# Altium PCB BCS1_REV2.2.PcbDoc (part 3 of 4)
Units mm, origin at the board's own origin, x right, y up, seen from the top; angles counter-clockwise.
Board outline 86.39 x 54.64 mm, 8 copper layers (TOP, LAYER 2 (Plane1), LAYER 3, LAYER 4_PWR1, LAYER 5_PWR2, LAYER 6, LAYER 7 (Plane2), BOTTOM), stack 1.674 mm thick; 201 components, 237 nets, 906 pads, 504 vias.
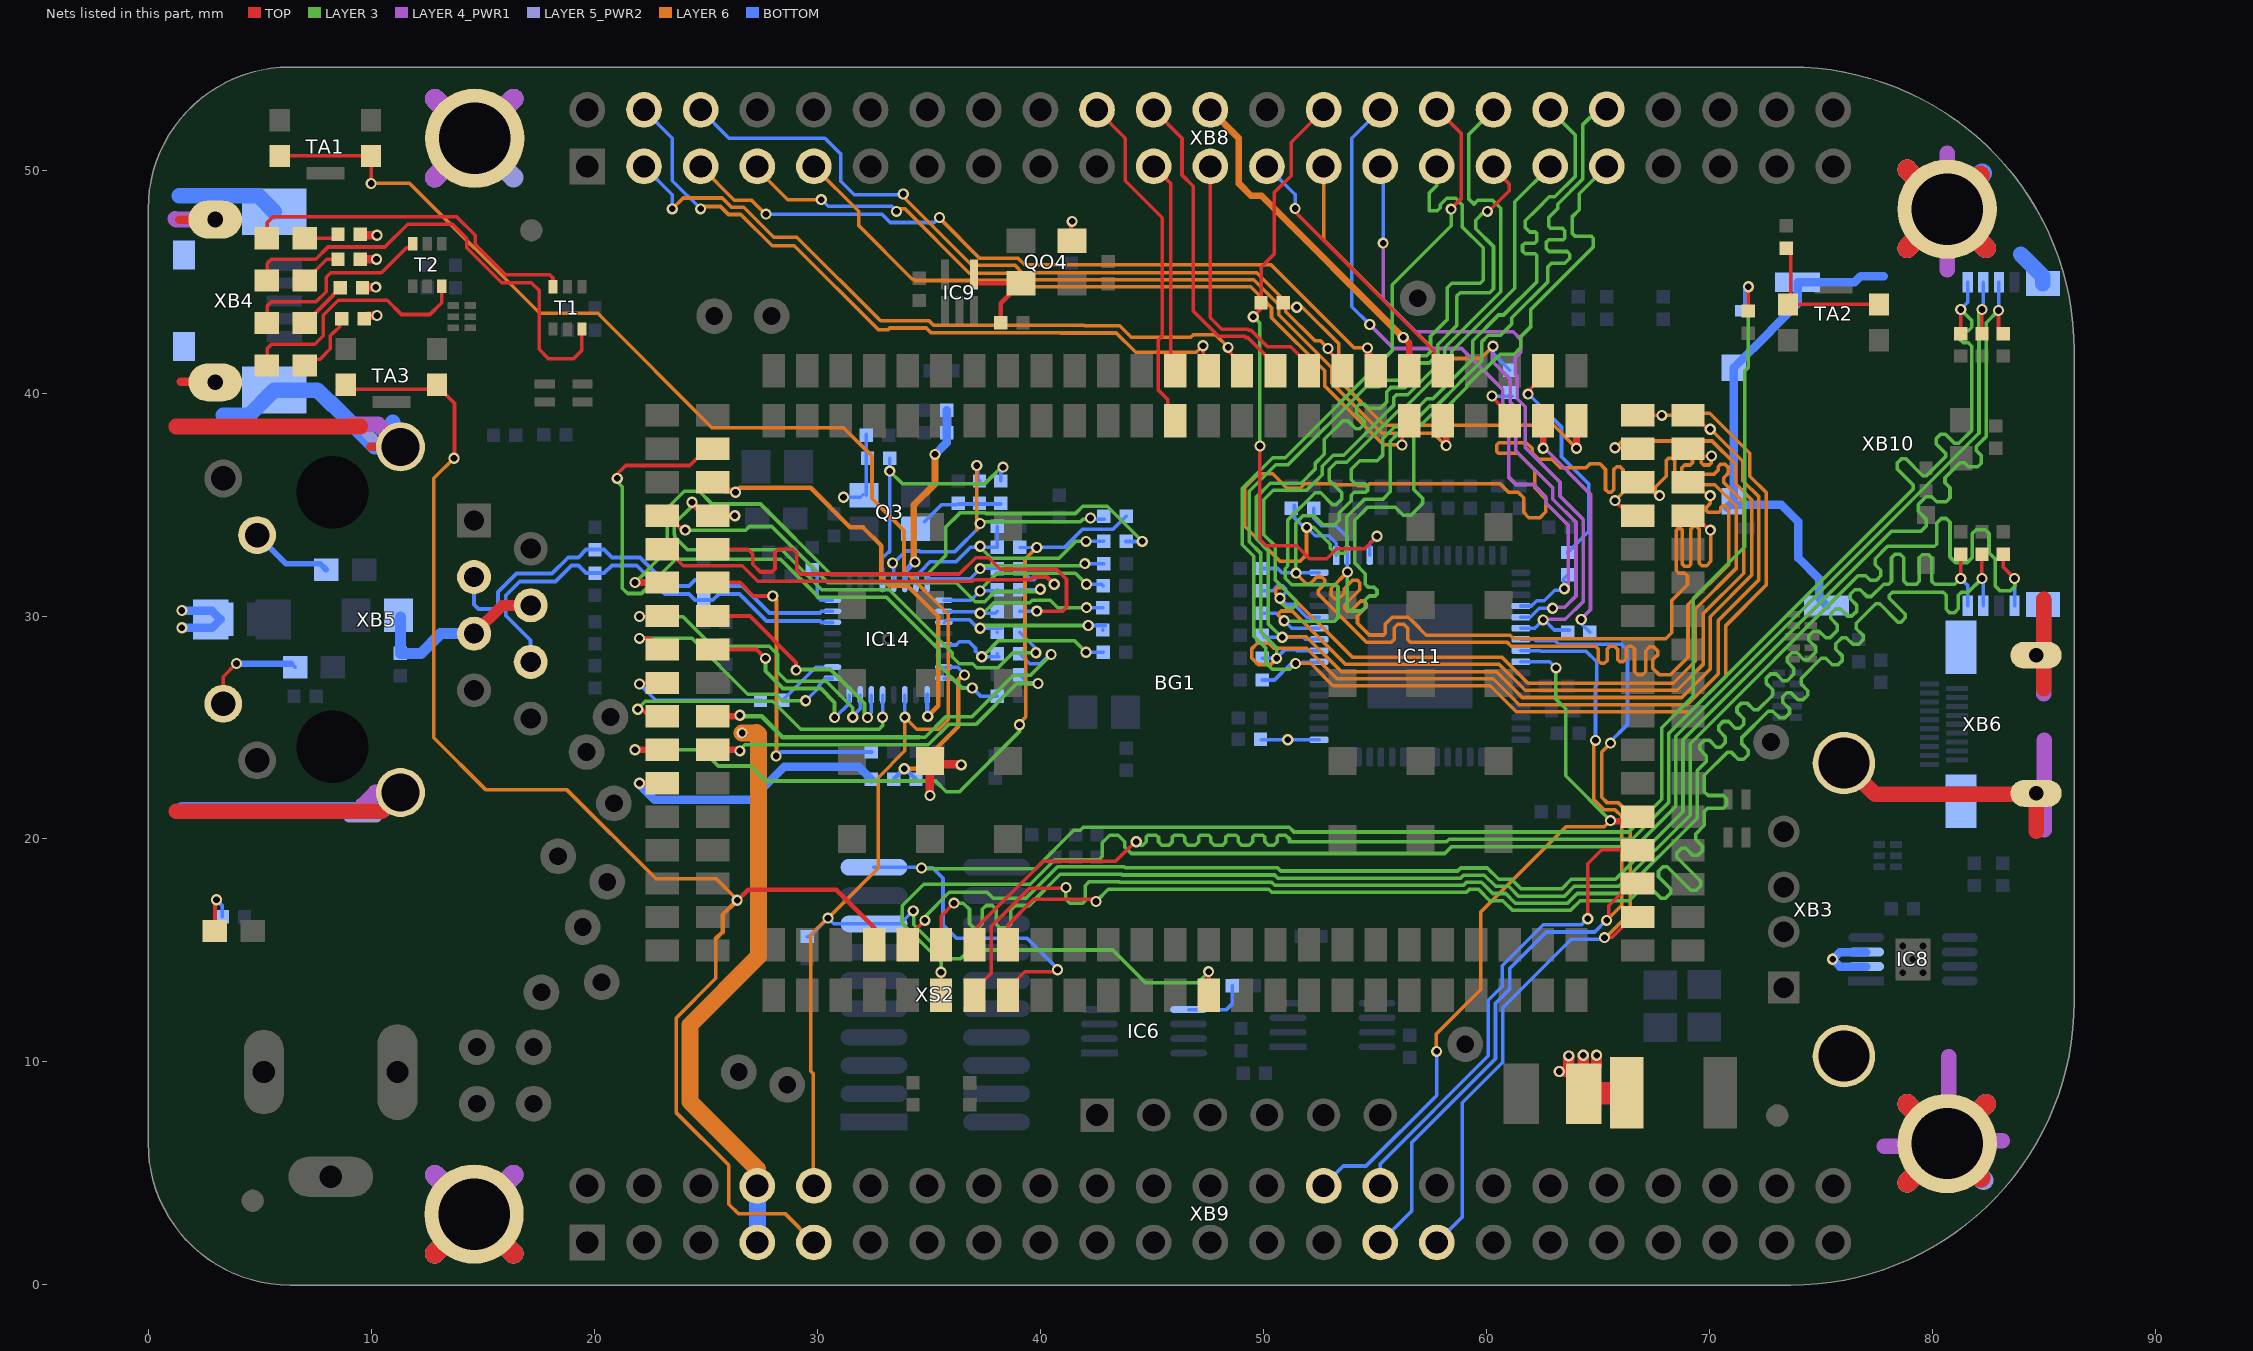
[diagram p9: the nets of this part, all layers, seen from the top]

## Via types
v1: diameter 0.5, hole 0.3, TOP to BOTTOM, tented both sides, 368 vias
v2: diameter 0.5, hole 0.3, TOP to BOTTOM, 128 vias
v3: diameter 0.559, hole 0.305, TOP to BOTTOM, tented both sides, 4 vias
v4: diameter 0.66, hole 0.33, TOP to BOTTOM, tented top, 4 vias

## Nets (pads, with @x,y where several pads share a name; then routed paths per layer and width w, separated by ;. In a path a pad name is that pad's centre, name@x,y a point inside that pad or via, vN(x,y) a via of type N, cw(c..) or ccw(c..) an arc to the next point about the centre after c; other vN are vias at no path point) (continued)
LCD_DATA8: BG1.98 C160.1 IC11.2 XB8.37 | length 72.5
  TOP w0.16: BG1.98@69.05,34.5 BG1.98@69.175,34.625 ; BG1.98@69.175,34.125 69.725,34.125 70.025,33.825 v2@70.05,33.825
  LAYER 3 w0.16: v1(53.775,31.975) 53.775,30.35 53.9,30.225 54.4,30.225 54.575,30.4 54.575,30.725 54.75,30.9 55.025,30.9 55.1,30.975 55.1,31.15 54.95,31.3 54.7,31.3 54.575,31.425 54.575,31.9 54.1,32.375 54.1,34.3 54.675,34.875 55.925,34.875 56.275,34.525 56.625,34.525 57.15,35.05 57.15,35.275 56.75,35.675 56.75,36.65 56.75,37.049 56.75,38.251 57.599,39.1 57.972,39.1 59.128,40.256 59.128,40.34 59.79,41.002 59.874,41.002 60.485,41.612 60.506,41.612 60.644,41.75 60.832,41.75 60.847,41.735 61.253,41.735 61.54,42.022 61.54,42.515 61.987,42.962 61.987,43.737 64.8,46.55 64.8,46.95 64.725,47.025 64,47.025 63.85,47.175 63.85,47.9 64.175,48.225 64.175,48.935 XB8.37@65.405,50.165
  LAYER 6 w0.16: v1(53.775,31.975) 53.05,31.25 53.05,30.925 53.2,30.775 53.388,30.775 53.625,31.013 53.625,31.225 54,31.6 54.225,31.6 54.325,31.5 54.325,31.175 53.975,30.825 53.65,30.5 53.65,30.325 53.75,30.225 53.925,30.225 54.375,30.675 54.525,30.675 54.625,30.575 54.625,30.406 54.225,30.006 54.225,29.675 54.75,29.15 55.4,29.15 55.475,29.225 55.475,29.644 55.781,29.95 56.503,29.95 56.72,29.733 56.72,29.73 57.315,29.135 61.083,29.135 61.243,28.975 68.05,28.975 68.325,29.25 68.325,30.697 69.025,31.397 69.025,31.8 68.9,31.925 68.625,31.925 68.515,32.035 68.515,33.84 68.6,33.925 68.725,33.925 68.8,33.85 68.8,32.325 68.9,32.225 69.075,32.225 69.175,32.325 69.175,33.9 69.3,34.025 69.425,34.025 69.55,33.9 69.55,33.725 69.55,32.375 69.663,32.263 69.888,32.263 70.075,32.45 v2@70.075,33.975
  BOTTOM w0.16: C160.1@52.26,34.831 52.26,34.39 52.6,34.05 53.255,34.05 53.775,33.53 IC11.2@53.775,32.725 v1(53.775,31.975)
  other v2: 70.053,33.852
LCD_DATA9: BG1.115 C157.1 IC11.1 XB8.38 | length 72.4
  TOP w0.16: v2(65.775,35.175) 66.45,34.5 BG1.115@66.8,34.5
  LAYER 3 w0.16: v1(51.95,33.975) 52.25,33.975 53,33.225 53,33.05 53.225,32.825 53.65,32.825 53.75,32.925 53.75,34.45 54.53,35.23 55.355,35.23 55.7,35.575 55.7,37.843 56.022,38.165 56.212,38.165 57.467,39.42 57.77,39.42 58.808,40.458 58.808,40.472 59.657,41.322 59.672,41.322 59.79,41.44 59.79,42.287 60.095,42.592 60.642,42.592 61.15,43.1 61.15,43.375 62.75,44.975 62.75,45.65 62.925,45.825 63.525,45.825 63.75,46.05 63.75,46.225 63.625,46.35 62.825,46.35 62.7,46.475 62.7,46.775 62.8,46.875 63.45,46.875 63.525,46.95 63.525,47.275 63.4,47.4 62.875,47.4 62.8,47.475 62.8,47.875 63.2,48.275 63.2,48.472 64.32,49.592 64.32,52.02 65.03,52.73 XB8.38@65.405,52.73
  LAYER 6 w0.16: v1(51.95,33.975) 51.938,33.963 51.938,32.738 51.65,32.45 50.75,32.45 49.175,34.025 49.175,35.75 49.8,36.375 50.425,36.375 51.063,35.737 51.655,35.737 51.844,35.925 53.211,35.925 53.25,35.887 54.209,35.887 54.262,35.834 54.668,35.834 54.759,35.925 60.625,35.925 61,35.55 61.425,35.55 61.675,35.3 61.675,34.65 61.913,34.412 62.412,34.412 62.675,34.675 62.675,35.25 62.175,35.75 62.175,36.55 61.425,37.3 60.55,37.3 60.475,37.375 60.475,37.675 60.575,37.775 61.8,37.775 62.06,37.515 62.06,37.322 62.347,37.035 62.94,37.035 63.325,36.65 64.475,36.65 64.65,36.825 65.1,36.825 65.35,36.575 65.35,35.675 65.475,35.55 65.6,35.55 65.725,35.675 65.725,36.575 65.85,36.7 66,36.7 66.15,36.55 66.15,35.55 v2(65.775,35.175)
  BOTTOM w0.16: C157.1@51.4,34.971 51.4,34.4 51.825,33.975 v1(51.95,33.975) 52.325,33.6 52.943,33.6 53.275,33.268 IC11.1@53.275,32.725
LCD_DATA10: BG1.99 C156.1 IC11.64 XB8.36 | length 72.4
  TOP w0.16: BG1.99@69.05,36 69.35,36 69.95,35.4 v2(70.05,35.4)
  LAYER 3 w0.16: v2(51.475,31.925) 51.45,31.95 51.45,34.168 51.782,34.5 52.275,34.5 52.675,34.1 53.2,34.1 53.4,34.3 53.4,34.625 53.943,35.168 53.943,35.418 54.075,35.55 54.6,35.55 54.675,35.625 54.675,35.825 54.576,35.924 54.126,35.924 53.943,36.107 53.943,36.585 54.323,36.965 55.115,36.965 55.35,37.2 55.35,37.946 55.889,38.485 56.079,38.485 57.334,39.74 57.615,39.74 59.4,41.525 59.4,42.35 60.55,43.5 60.775,43.5 62.275,45 62.275,46.187 ; 62.263,46.187 62.2,46.25 61.75,46.25 61.625,46.375 61.625,46.625 61.725,46.725 62.175,46.725 62.275,46.825 62.275,47.15 62.2,47.225 61.95,47.225 61.75,47.425 61.75,47.725 62.275,48.25 62.825,48.8 63.075,48.8 64,49.725 64,51.57 XB8.36@62.865,52.705
  LAYER 6 w0.16: v2(51.475,31.925) 51.475,31.9 51.925,31.45 52.1,31.45 52.4,31.75 52.625,31.75 52.75,31.625 52.75,31.425 52.475,31.15 52.475,30.972 54.627,28.82 55.745,28.82 55.875,28.95 55.875,29.475 56.03,29.63 56.295,29.63 56.475,29.45 56.475,28.95 56.61,28.815 60.95,28.815 61.115,28.65 64.9,28.65 65.025,28.525 65.025,28 65.15,27.875 65.3,27.875 65.425,28 65.425,28.525 65.55,28.65 65.75,28.65 65.9,28.5 65.9,28.05 66,27.95 66.15,27.95 66.275,28.075 66.275,28.55 66.375,28.65 66.525,28.65 66.65,28.525 66.65,27.5 66.775,27.375 67.025,27.375 67.15,27.5 67.15,28.45 67.325,28.625 67.5,28.625 67.7,28.425 67.7,28.275 67.475,28.05 67.475,27.65 67.75,27.375 68.268,27.375 69.05,28.157 69.05,30.5 70.885,32.335 70.885,34.79 70.725,34.95 70.6,34.95 70.525,34.875 70.525,34.75 70.437,34.662 69.938,34.662 69.875,34.725 69.875,34.875 70.05,35.05 v2(70.05,35.4)
  BOTTOM w0.16: C156.1@49.96,32.131 50.644,32.131 50.825,31.95 51.475,31.95 IC11.64@52.5,31.95
LCD_DATA11: BG1.116 C168.1 IC11.60 XB8.34 | length 72.2
  TOP w0.16: BG1.116@66.8,36 67.05,36 67.65,35.4 v2(67.775,35.4)
  LAYER 3 w0.16: v1(50.75,30.8) 50.75,30.65 51.025,30.375 51.35,30.375 51.45,30.475 51.45,30.7 50.535,31.615 50.535,33.14 50.025,33.65 50.025,35.218 50.447,35.64 51.94,35.64 52.643,36.343 52.643,36.712 53.14,37.21 53.605,37.21 55.385,38.99 ; 55.386,38.99 55.86,39.464 55.86,39.81 55.975,39.925 56.48,39.925 58.14,41.585 58.14,42.04 60.645,44.545 60.645,48.283 60.288,48.64 59.977,48.64 59.975,48.642 59.617,48.642 59.453,48.478 59.45,48.475 59.425,48.5 59.225,48.7 59.225,51.605 XB8.34@60.325,52.705
  LAYER 6 w0.16: v1(50.75,30.8) 50.55,31 50.55,31.175 50.65,31.275 50.875,31.275 54,28.15 60.71,28.15 61.875,26.985 68.385,26.985 69.375,27.975 69.375,30.303 71.205,32.133 71.205,34.942 71.201,34.942 70.253,35.89 68.585,35.89 68.45,36.025 68.45,36.975 68.35,37.075 68.175,37.075 68.075,36.975 68.075,36.275 67.575,35.775 67.575,35.6 v2(67.775,35.4)
  BOTTOM w0.16: C168.1@49.96,31.131 50.419,31.131 50.639,31.35 50.875,31.35 51,31.225 51,31.05 v1(50.75,30.8) 51.025,30.525 51.375,30.525 51.95,29.95 IC11.60@52.5,29.95
LCD_DATA12: BG1.100 C167.1 IC11.59 XB8.35 | length 72.7
  TOP w0.16: BG1.100@69.25,37.175 v2(70.1,37.175)
  LAYER 3 w0.16: v1(50.935,29.79) 50.95,29.775 53.2,29.775 53.35,29.925 53.35,31.3 53.25,31.4 51.275,31.4 50.985,31.69 50.985,32.128 51.105,32.248 51.105,34.305 52.325,35.525 52.575,35.525 53.1,35 53.275,35 53.525,35.25 53.525,35.525 52.963,36.087 52.963,36.58 53.273,36.89 53.737,36.89 55.517,38.67 56.188,39.34 56.348,39.34 58.46,41.452 58.46,41.882 61.275,44.697 61.275,48.125 61.275,48.575 XB8.35@62.865,50.165
  LAYER 6 w0.16: v1(50.935,29.79) 50.7,30.025 50.7,30.125 50.8,30.225 51.3,30.225 53.695,27.83 60.578,27.83 61.743,26.665 68.565,26.665 69.725,27.825 69.725,30.1 71.55,31.925 71.55,35.09 70.65,35.99 70.65,36.2 70.865,36.415 70.865,36.66 70.725,36.8 70.5,36.8 70.4,36.7 70.4,36.55 70.2,36.35 68.9,36.35 68.775,36.475 68.775,36.65 68.9,36.775 69.15,36.775 69.25,36.875 69.25,37.4 69.35,37.5 69.55,37.5 69.65,37.4 69.65,36.875 69.75,36.775 70,36.775 70.1,36.875 v2(70.1,37.175)
  BOTTOM w0.16: C167.1@49.96,30.131 50.594,30.131 v1(50.935,29.79) 51.275,29.45 IC11.59@52.5,29.45
LCD_DATA13: BG1.117 C166.1 IC11.58 XB8.33 | length 72.5
  TOP w0.16: XB8.33@60.125,50.09 60.31,50.09 61.025,49.375 61.025,49.075 60.15,48.2 v2@60.15,48.15 ; v2(65.775,37.55) 66.75,37.55 BG1.117@66.8,37.5
  LAYER 3 w0.16: v1(50.85,29.05) 50.825,29.05 50.215,29.66 50.215,32.94 49.695,33.46 49.695,35.341 50.314,35.96 51.703,35.96 52.323,36.58 52.323,36.845 52.735,37.257 52.735,37.928 53.557,38.75 53.8,38.75 54.15,38.4 54.325,38.4 54.525,38.6 54.525,38.75 54.175,39.1 54.175,39.368 54.307,39.5 54.55,39.5 54.74,39.31 55.253,39.31 55.54,39.597 55.54,40.065 55.725,40.25 56.353,40.25 56.675,40.572 56.675,41.2 56.825,41.35 57.453,41.35 57.82,41.717 57.82,42.173 58.675,43.028 58.675,44.35 58.828,44.503 60.15,44.503 60.325,44.678 60.325,46.575 59.525,47.375 59.525,47.75 59.925,48.15 v2(60.05,48.15)
  LAYER 6 w0.16: v1@50.91,28.99 50.995,29.075 51.925,29.075 53.49,27.51 60.445,27.51 61.61,26.345 68.77,26.345 70.05,27.625 70.05,29.972 71.9,31.822 71.9,35.222 71.185,35.937 71.185,36.793 70.128,37.85 66.1,37.85 65.8,37.55 v2(65.775,37.55)
  BOTTOM w0.16: C166.1@50.04,29.05 v1(50.85,29.05) 51.806,29.05 51.906,28.95 IC11.58@52.5,28.95 IC11.58@52.675,28.95
LCD_DATA14: BG1.101 C165.1 IC11.57 XB8.31 | length 72.5
  TOP w0.16: BG1.101@69.5,38.825 70,38.325 70.05,38.275 v2(70.05,38.375)
  LAYER 3 w0.16: v1(50.6,28.1) 50.6,28.575 49.895,29.28 49.895,32.808 49.375,33.328 49.375,35.6 50.556,36.781 51.113,36.781 54.622,40.29 55.211,40.29 55.5,40.579 56.029,40.579 56.325,40.875 56.325,41.404 56.596,41.675 57.325,41.675 57.5,41.85 57.5,42.55 58.25,43.3 58.25,44.725 58.45,44.925 59.725,44.925 59.862,45.063 59.862,46.513 58.915,47.46 58.915,48.453 58.628,48.74 58.222,48.74 57.935,48.453 57.935,48.31 57.8,48.175 57.45,48.175 57.45,48.975 57.785,49.31 XB8.31@57.785,50.165
  LAYER 6 w0.16: v1(50.6,28.1) 50.325,27.825 49.775,27.825 49.475,28.125 49.475,28.525 49.725,28.775 50.25,28.775 50.475,28.55 51.95,28.55 53.31,27.19 60.313,27.19 61.478,26.025 69.022,26.025 70.4,27.403 70.4,29.8 72.23,31.63 72.23,35.345 71.505,36.07 71.505,36.945 70.112,38.338 70.112,38.375 v2@70.112,38.437
  BOTTOM w0.16: C165.1@49.96,28.106 v1@50.581,28.106 ; v1@50.587,28.112 50.975,28.5 51.45,28.5 51.5,28.45 IC11.57@52.5,28.45
LCD_DATA15: BG1.118 C164.1 IC11.56 XB8.32 | length 72.4
  TOP w0.16: XB8.32@57.785,52.73 58.875,51.64 58.875,48.725 v2@58.425,48.275 ; BG1.118@66.8,39 v2(67.875,39)
  LAYER 3 w0.16: v1(51.45,27.875) 51.185,27.61 50.397,27.61 50.11,27.897 50.11,28.565 49.575,29.1 49.575,32.675 49.05,33.2 49.05,35.728 50.423,37.1 50.98,37.1 55.785,41.906 55.785,44.86 58.425,47.5 v2(58.425,48.25)
  LAYER 6 w0.16: v1(51.45,27.875) 52.125,27.875 53.13,26.87 60.18,26.87 61.35,25.7 69.15,25.7 70.75,27.3 70.75,29.575 72.55,31.375 72.55,35.55 71.825,36.275 71.825,37.3 70.547,38.578 70.025,39.1 69.75,39.1 69.65,39 v2(67.875,39)
  BOTTOM w0.16: C164.1@49.96,27.131 50.506,27.131 51.25,27.875 v1(51.45,27.875) 51.7,27.875 51.75,27.925 52.5,27.925 IC11.56@52.675,27.925
LCD_DE: IC11.20 R48.2 XB8.30 | length 31.6
  LAYER 4_PWR1 w0.16: v1(54.775,43.075) 55.85,42 58.9,42 60.748,40.152 60.748,39.484 61,39.232 61,36.232 61.332,35.9 62.125,35.9 62.668,35.357 62.668,35.082 63.675,34.075 63.675,31.35 63.478,31.153 63.478,31.202 v1(63.503,31.227)
  BOTTOM w0.16: v1(54.775,43.075) 53.975,43.875 53.975,51.435 XB8.30@55.245,52.705 ; IC11.20@61.55,30.45 62.022,30.45 62.259,30.687 62.606,30.687 63.069,31.15 63.427,31.15 v1(63.503,31.227) ; v1@63.475,31.15 63.475,31.675 R48.2@63.65,31.85
LCD_HSYNC: IC11.22 R47.2 XB8.29 | length 30.8
  LAYER 4_PWR1 w0.16: v1(55.375,46.725) 55.375,44.2 56.825,42.75 61.218,42.75 61.54,42.428 61.54,42.235 61.55,42.225 61.55,41.825 61.3,41.575 61.3,40.853 61.388,40.765 61.388,39.749 61.75,39.387 61.75,37.56 63.308,36.002 63.308,35.37 64.35,34.328 64.35,30.65 63.55,29.85 62.575,29.85 v1(62.553,29.826) v1(62.553,29.826)
  BOTTOM w0.16: XB8.29@55.245,50.165 55.375,50.035 v1(55.375,46.725) ; IC11.22@61.55,29.45 62.175,29.45 v1@62.575,29.85 ; v1(62.553,29.826) v1(62.553,29.826) v1@62.575,29.85 ; R47.2@63.734,29.356 63.715,29.375 63.05,29.375 v1@62.575,29.85
LCD_PCLK: IC11.4 R45.2 XB8.28 | length 27.7
  TOP w0.16: v1(49.55,43.425) 49.9,43.775 R45.2@49.9,44.05 49.9,45.65 50.5,46.25 50.5,49 51.25,49.75 51.25,51.25 XB8.28@52.705,52.705 ; v2(49.85,37.625) 49.85,33.425 50.125,33.15 51.5,33.15 52.075,32.575 52.85,32.575 53.3,33.025 54.55,33.025 v2(55.1,33.575)
  LAYER 3 w0.16: v1(49.55,43.425) 49.85,43.125 v2(49.85,37.625) ; v2@55.085,33.56 v2(55.1,33.575)
  BOTTOM w0.16: IC11.4@54.775,32.725 54.775,33.25 v2(55.1,33.575)
LCD_VSYNC: IC11.21 R46.2 XB8.27 | length 30.4
  LAYER 4_PWR1 w0.16: v1@60.275,42.074 60.275,41.425 61.068,40.632 61.068,39.616 61.325,39.359 61.325,37.415 62.988,35.752 62.988,35.237 64.025,34.2 64.025,30.9 63.525,30.4 62.95,30.4 62.95,30.38 v1(62.978,30.351)
  LAYER 3 w0.16: v1@60.275,42.074 v1(60.303,42.102)
  LAYER 6 w0.16: XB8.27@52.705,50.165 52.705,46.87 58.025,41.55 59.751,41.55 v1(60.303,42.102)
  BOTTOM w0.16: v1(60.303,42.102) 60.303,41.772 R46.2@61.05,41.025 ; IC11.21@61.55,29.95 61.975,29.95 62.376,30.351 v1(62.978,30.351)
LCDDE: BG1.120 R48.1 | length 9.5
  TOP w0.16: v2@61.975,40.175 BG1.120@62.547,40.747
  BOTTOM w0.16: v2(61.878,39.952) 61.878,39.977 v2@61.93,39.925 ; v2@61.9,39.925 v2@61.93,39.925 ; R48.1@63.65,32.85 64.6,33.8 64.6,35.925 63.375,37.15 63.375,38.48 v2@61.93,39.925
LCDPCLK: BG1.144 R45.1 | length 18
  TOP w0.16: R45.1@50.9,44.05 51.1,43.85 v2(51.5,43.85)
  TOP w0.3: v1(64.05,37.525) BG1.144@64.05,38.75
  LAYER 6 w0.16: v2(51.5,43.85) 51.748,43.85 53.393,42.205 53.393,40.582 55.425,38.55 63.025,38.55 v1(64.05,37.525)
LCDVHYNC: BG1.145 R47.1 | length 10.9
  TOP w0.3: v1(62.55,37.525) BG1.145@62.55,38.75
  LAYER 4_PWR1 w0.16: v1(62.55,37.525) 62.618,37.525 64.675,35.468 64.675,30.275 v2@64.2,29.8
  LAYER 3 w0.16: v2@64.246,29.846 v2(64.259,29.846)
  BOTTOM w0.16: v2(64.259,29.846) 64.246,29.846 64.2,29.8 64.2,29.725 R47.1@64.65,29.275
LCDVSYNC: BG1.146 R46.1 | length 1.9
  TOP w0.16: v2(60.258,39.872) 60.303,39.872 60.325,39.85 60.225,39.85 BG1.146@60.8,39.275
  BOTTOM w0.16: v2(60.258,39.872) 60.28,39.85 R46.1@61.175,39.85
LEDAA: LD2.2 R72.2 | length 1.5
  TOP w0.16: LD2.2@6.976,46.951 R72.2@8.525,46.951
LEDAC: LD2.1 T1.6 | length 15.4
  TOP w0.16: LD2.1@5.325,46.951 5.325,47.649 5.576,47.9 13.825,47.9 14.65,47.075 14.65,46.675 16.025,45.3 18,45.3 18.143,45.157 T1.6@18.143,44.773
LEDBA: LD3.2 R73.2 | length 1.9
  TOP w0.16: LD3.2@7.046,45.046 7.998,45.998 R73.2@8.525,45.998
LEDBC: LD3.1 T1.3 | length 21
  TOP w0.16: LD3.1@5.325,45.046 5.325,45.808 5.515,45.998 7.498,45.998 8.05,46.55 10.6,46.55 11.625,47.575 13.648,47.575 14.275,46.948 14.275,46.525 15.85,44.95 17.175,44.95 17.525,44.6 17.525,41.96 17.94,41.545 19.065,41.545 19.442,41.923 T1.3@19.443,42.873
LEDCA: LD4.2 R74.2 | length 2.3
  TOP w0.16: LD4.2@7.041,43.141 8.3,44.4 8.3,44.425 8.475,44.6 R74.2@8.475,44.85
LEDCC: LD4.1 T2.6 | length 8.8
  TOP w0.16: LD4.1@5.325,43.141 5.325,43.903 5.515,44.093 7.518,44.093 7.975,44.55 7.975,45.2 8.175,45.4 10.45,45.4 11.575,46.525 11.775,46.525 T2.6@11.85,46.6
LEDDA: LD5.2 R71.2 | length 3.1
  TOP w0.16: LD5.2@6.976,41.236 7.265,41.525 7.7,41.525 8.16,41.985 8.16,42.574 8.301,42.715 8.315,42.715 8.575,42.975 R71.2@8.575,43.425
LEDDC: LD5.1 T2.3 | length 11.3
  TOP w0.16: LD5.1@5.325,41.236 5.325,41.998 5.515,42.188 7.463,42.188 7.84,42.565 7.84,43.487 8.517,44.165 10.71,44.165 11.35,43.525 12.625,43.525 13.15,44.05 T2.3@13.15,44.8
MDIO_CLK: BG1.20 IC14.17 | length 19.1
  TOP w0.3: BG1.20@25.875,35.625 v1@26.347,35.625
  LAYER 6 w0.2: v1(26.325,35.55) 26.525,35.75 29.7,35.75 31.475,33.975 32.05,33.975 32.875,33.15 32.875,32.596 32.867,32.588 32.867,32.165 32.875,32.157 32.875,31.7 33.225,31.35 34.05,31.35 35.425,29.975 35.425,25.975 v1(34.95,25.5)
  BOTTOM w0.16: 34.926,25.894 IC14.17@34.926,26.435
  BOTTOM w0.2: IC14.17@34.924,26.465 34.924,25.526 v1(34.95,25.5)
MDIO_DATA: BG1.19 IC14.16 R119.1 | length 32.3
  TOP w0.16: v1(21.025,36.175) 20.875,36.175 20.85,36.2 21.4,36.75 24.275,36.75 25.025,37.5 BG1.19@25.3,37.5
  LAYER 3 w0.16: v1(21.025,36.175) 20.875,36.175 21.25,35.8 21.25,31.25 21.49,31.01 22.11,31.01 23.65,32.55 28.35,32.55 30.05,30.85 33.097,30.85 35.45,28.497 35.45,27.81 36.485,26.775 v1(36.95,26.775)
  BOTTOM w0.16: IC14.16@35.69,27.199 36.061,27.199 36.485,26.775 v1(36.95,26.775) 37.315,26.41 R119.1@38.065,26.41
MII1_COL: BG1.12 R138.1 | length 12.7
  TOP w0.3: v1(22.025,22.5) BG1.12@23.05,22.5
  BOTTOM w0.381: v1@21.95,22.5 21.987,22.463 22.7,21.75 27.024,21.75 28.524,23.25 31.85,23.25 R138.1@32.425,22.675
MII1_CRS_DV: BG1.28 R139.1 | length 17
  TOP w0.3: BG1.28@25.3,24 26.525,24 26.526,23.999 v1(26.526,23.951)
  LAYER 3 w0.16: v1(26.526,23.951) 26.526,23.999 26.525,24 26.75,24.225 34.975,24.225 35.887,25.138 37.113,25.138 38.95,26.975 v1(39.9,26.975) ; v1@39.9,27.025 v1@40,27.025
  BOTTOM w0.16: R139.1@39.072,27.363 39.46,26.975 v1(39.9,26.975)
MII1_REFCLK: BG1.11 R124.1 R140.1 | length 34.3
  TOP w0.3: v1(21.825,24) BG1.11@23.05,24
  LAYER 3 w0.16: v1(21.825,24) 24.825,24 25.55,23.275 27.015,23.275 27.69,22.6 35.3,22.6 35.775,22.125 36.375,22.125 39.068,24.818 v1(39.068,25.125)
  LAYER 6 w0.16: v1(39.068,25.125) 39.068,25.193 39.35,25.475 39.35,28.11 39.312,28.148 39.312,32.547 v1(39.843,33.077)
  BOTTOM w0.121: R124.1@39.081,33.077 v1(39.843,33.077)
  BOTTOM w0.16: v1(39.843,33.077) 41.085,33.077 41.907,33.9 43.275,33.9 R140.1@43.85,34.475
MII1_RXCLK: BG1.6 R131.1 | length 31.8
  TOP w0.3: v1(21.825,31.5) BG1.6@23.05,31.5
  LAYER 3 w0.16: v1(21.825,31.5) 23.275,32.95 23.275,33.507 23.266,33.516 23.266,34.841 24.025,35.6 24.7,35.6 25.275,35.025 27.45,35.025 30.625,31.85 34.9,31.85 35.75,32.7 35.75,33.975 36.417,34.642 37.505,34.642 37.546,34.6 41.575,34.6 41.9,34.925 43,34.925 v1(44.575,33.35)
  BOTTOM w0.177: R131.1@43.85,33.35 v1(44.575,33.35)
MII1_RXD0: BG1.21 R128.1 | length 24.4
  TOP w0.3: v1@24.388,35.063 24.95,34.5 BG1.21@25.3,34.5 v1(26.3,34.5) v1@26.35,34.5
  LAYER 3 w0.16: v1@24.388,35.063 24.388,34.937 23.586,34.136 23.586,33.649 23.595,33.64 23.595,33.555 24.175,32.975 28.4,32.975 30.2,31.175 33.225,31.175 36.05,28.35 36.05,28.175 36.364,27.861 36.964,27.861 37.15,27.675 38.1,27.675 38.776,28.351 v1(39.802,28.351)
  BOTTOM w0.121: v1(39.802,28.351) 39.806,28.351 39.843,28.315 39.843,28.351 v1@39.843,28.505
  BOTTOM w0.16: R128.1@39.081,29.267 v1@39.843,28.505
  other v1: 24.375,35.1
MII1_RXD1: BG1.22 R127.1 | length 22.5
  TOP w0.16: BG1.22@25.3,33 26.879,33 27.1,32.779 27.1,32.325 27.45,31.975 27.95,31.975 28.1,32.125 28.1,32.875 28.225,33 28.9,33 29.075,32.825 29.075,32.05 29.238,31.887 36.371,31.887 37.1,32.615 37.685,32.615 38.2,32.1 40.725,32.1 41.175,31.65 41.175,30.4 40.995,30.22 v1(39.843,30.22)
  BOTTOM w0.16: R127.1@39.081,30.22 v1(39.843,30.22)
MII1_RXD2: BG1.4 R126.1 | length 20
  TOP w0.16: BG1.4@23.05,34.5 23.3,34.5 23.948,33.852 v2(24.076,33.852)
  LAYER 3 w0.16: v2(24.076,33.852) 26.784,33.852 26.947,34.015 27.96,34.015 30.475,31.5 36.225,31.5 37.088,30.637 37.505,30.637 37.968,31.1 39.995,31.1 40.002,31.107 v2(40.002,31.202)
  BOTTOM w0.16: R126.1@39.075,31.175 39.92,31.175 39.947,31.147 39.995,31.1 40.002,31.107 v2(40.002,31.202)
MII1_RXD3: BG1.5 R125.1 | length 20.4
  TOP w0.16: BG1.5@23.05,33 23.25,33 23.99,32.26 26.637,32.26 27.331,31.567 36.969,31.567 37.038,31.635 39.56,31.635 39.675,31.75 40.3,31.75 v2(40.625,31.425) ; v2@40.75,31.4 v2@40.775,31.4
  BOTTOM w0.16: R125.1@39.081,32.125 39.58,31.625 39.732,31.625 39.882,31.775 40.275,31.775 v2(40.625,31.425)
MII1_RXDV: BG1.9 R129.1 | length 6.8
  TOP w0.16: v1(22.026,26.951) 22.075,27 BG1.9@23.05,27
  BOTTOM w0.16: v1(22.026,26.951) 22.024,26.951 22.025,26.95 22.75,26.225 R129.1@27.45,26.225
MII1_RXERR: BG1.27 R133.1 | length 18.7
  TOP w0.3: BG1.27@25.3,25.5 26.525,25.5 26.526,25.501 v1(26.526,25.551)
  LAYER 3 w0.16: 34.575,24.565 34.84,24.565 35.75,25.475 36.925,25.475 38.8,27.35 39.559,27.35 v1(40.484,28.275)
  LAYER 3 w0.2: v1(26.526,25.551) 26.526,25.501 26.525,25.5 26.526,25.5 27.5,25.5 28.435,24.565 34.575,24.565
  BOTTOM w0.16: R133.1@39.072,28.315 39.526,27.861 40.005,27.861 40.244,28.1 40.275,28.1
MII1_TXCLK: BG1.23 R134.1 | length 14.5
  TOP w0.178: BG1.23@25.3,31.5 26.525,31.5 27.125,30.9 v1(28,30.9)
  LAYER 6 w0.178: v1(28,30.9) 28.174,30.726 28.174,28.126 28.175,28.125 v1@28.175,23.725
  BOTTOM w0.178: v1(28.15,23.725) 28.336,23.911 R134.1@32.425,23.911
MII1_TXD0: BG1.24 IC14.22 | length 10.4
  TOP w0.178: BG1.24@25.3,30 26.975,30 29.05,27.925 v1(29.05,27.575)
  LAYER 3 w0.178: v1@29.05,27.6 30.6,27.6 32.125,26.075 32.125,25.555 32.229,25.451 v1(32.252,25.451)
  BOTTOM w0.121: v1(32.252,25.451) 32.229,25.451 32.223,25.457 32.234,25.469 32.424,25.659
  BOTTOM w0.16: 32.424,25.659 IC14.22@32.424,26.435
MII1_TXD1: BG1.7 IC14.23 | length 14.3
  TOP w0.16: v1(22.025,29.975) 23.025,29.975 BG1.7@23.05,30
  LAYER 3 w0.16: v1(22.025,29.975) 23.975,29.975 25.3,28.65 27.85,28.65 28.225,28.275 28.225,27.475 28.625,27.075 30.4,27.075 31.588,25.887 v1(31.588,25.457)